# Altium PCB PCB.PcbDoc (part 1 of 2)
Units mil, origin at the board's own origin, x right, y up, seen from the top; angles counter-clockwise.
Board outline 2755.91 x 2755.91 mil, 2 copper layers (Top Layer, Bottom Layer), stack 61.811 mil thick; 228 components, 135 nets, 649 pads, 349 vias.
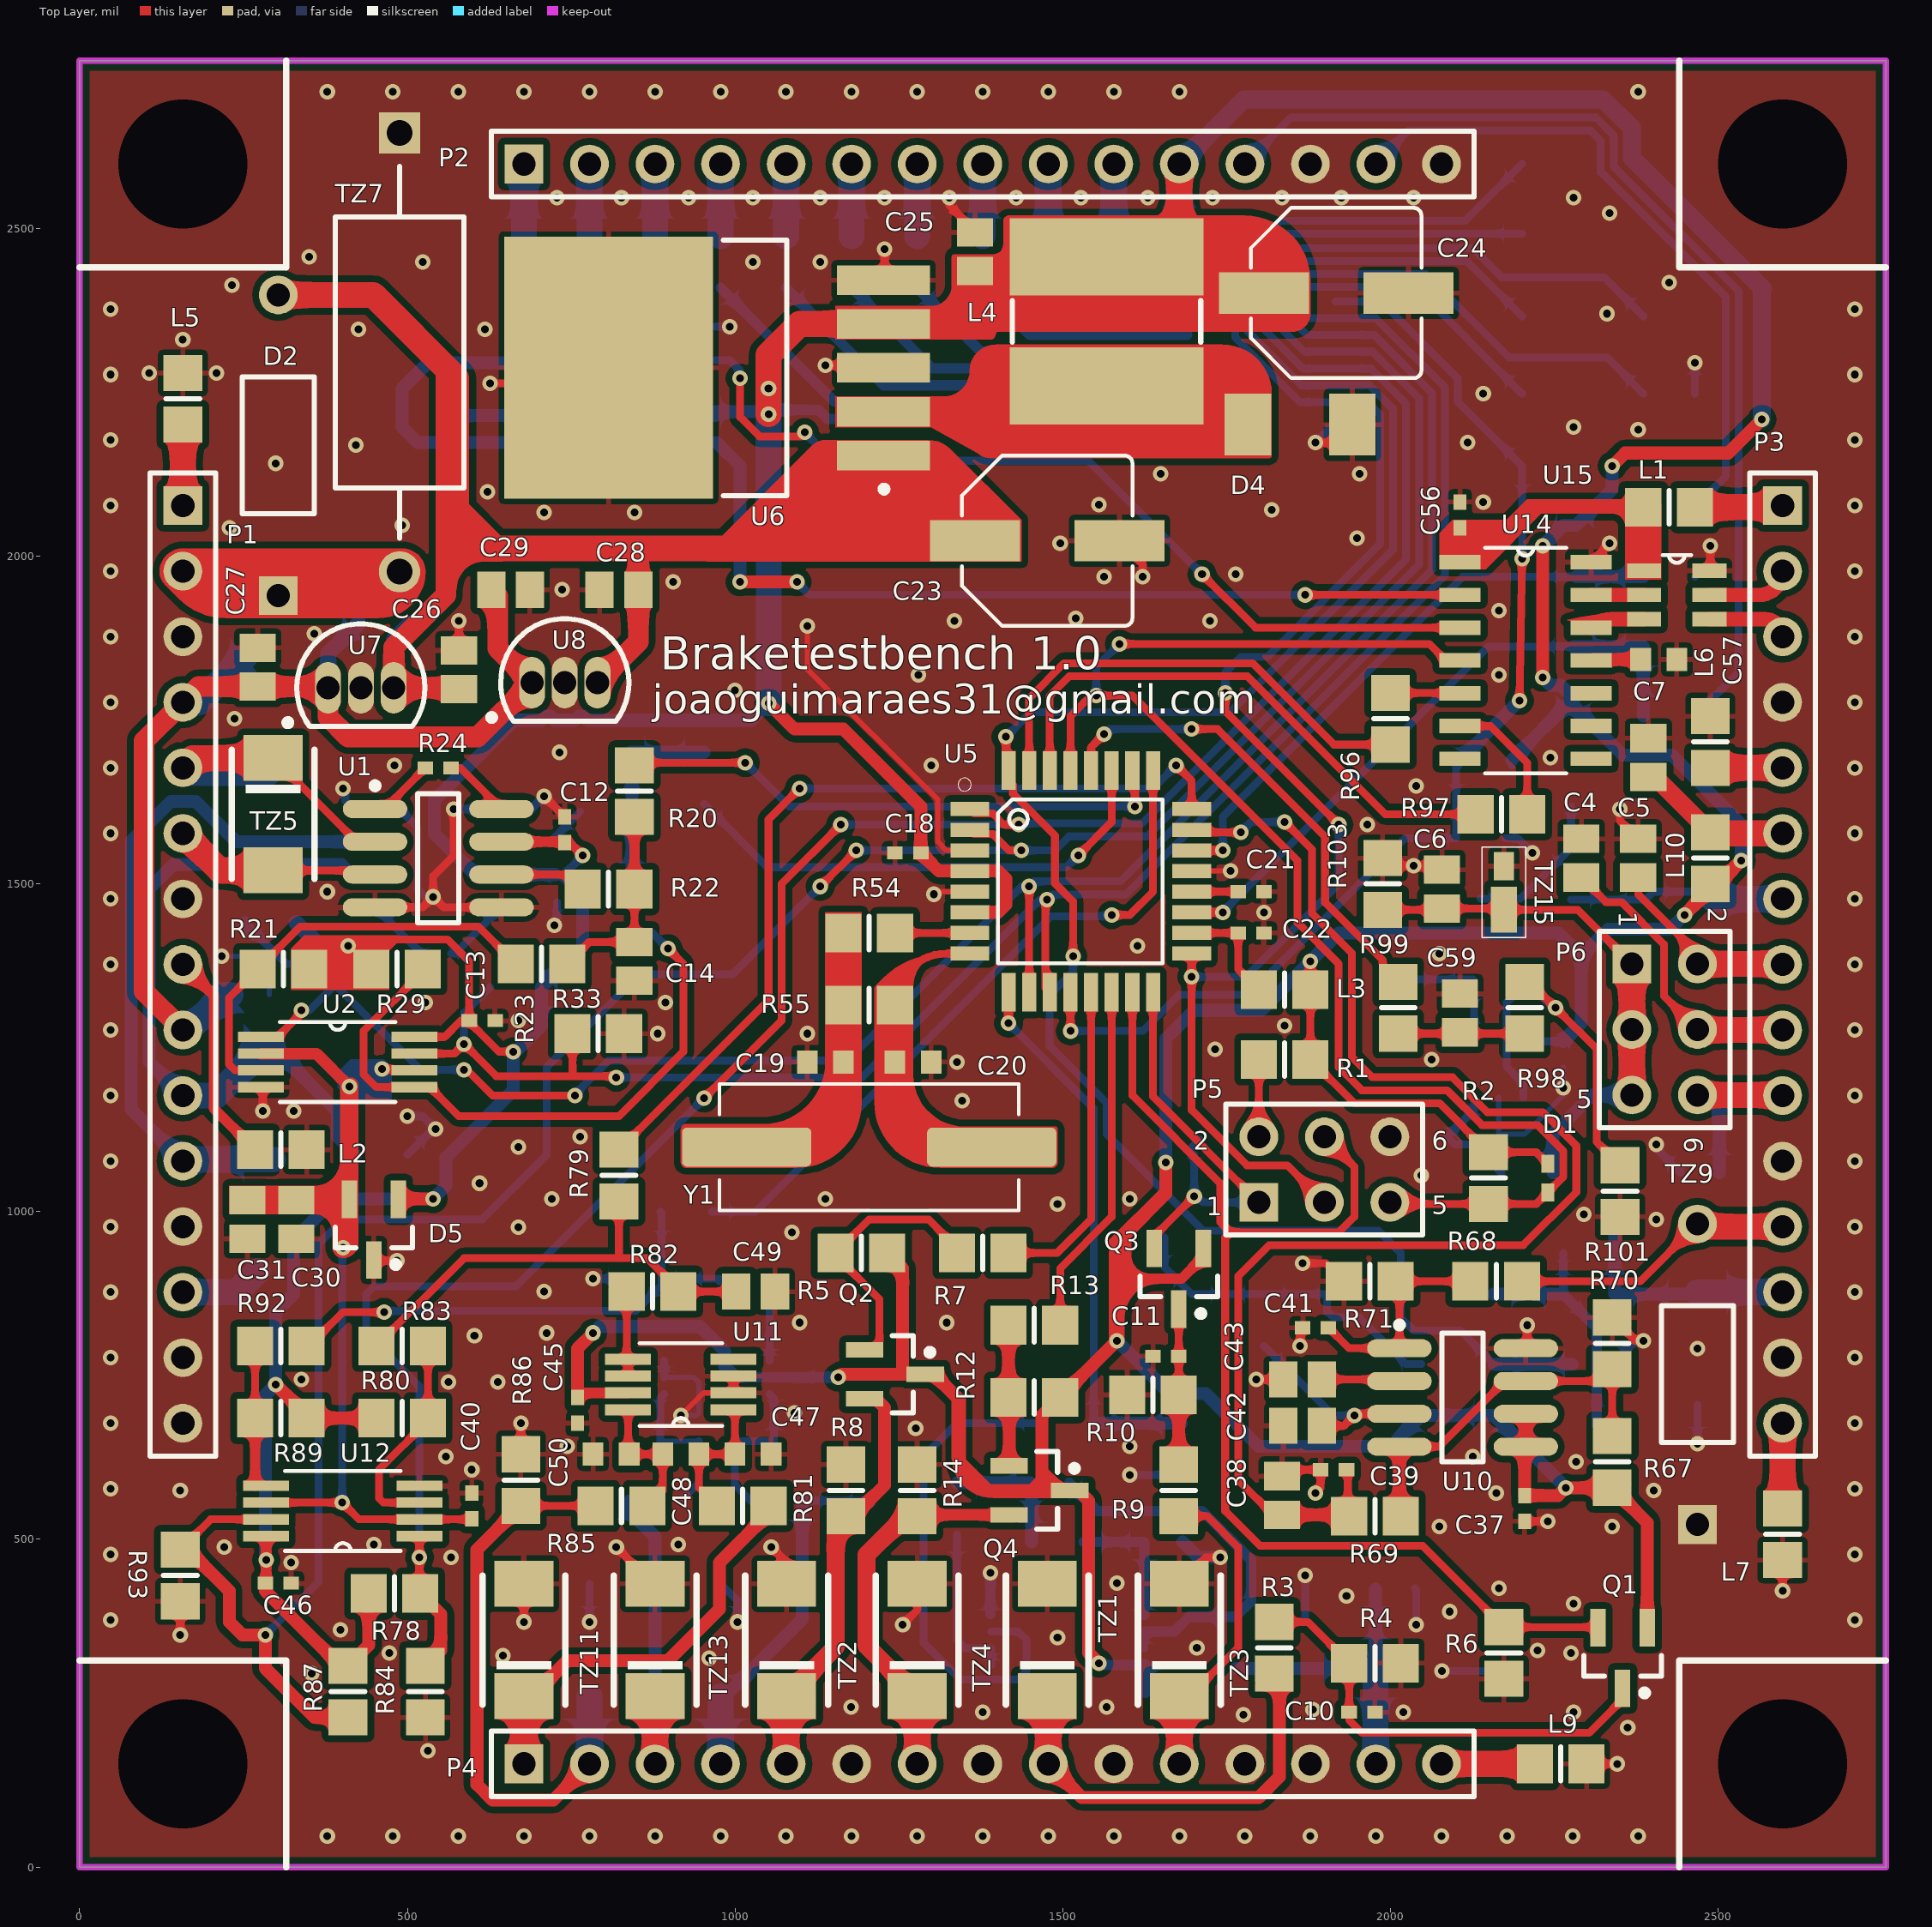
[diagram p0: Top Layer view]
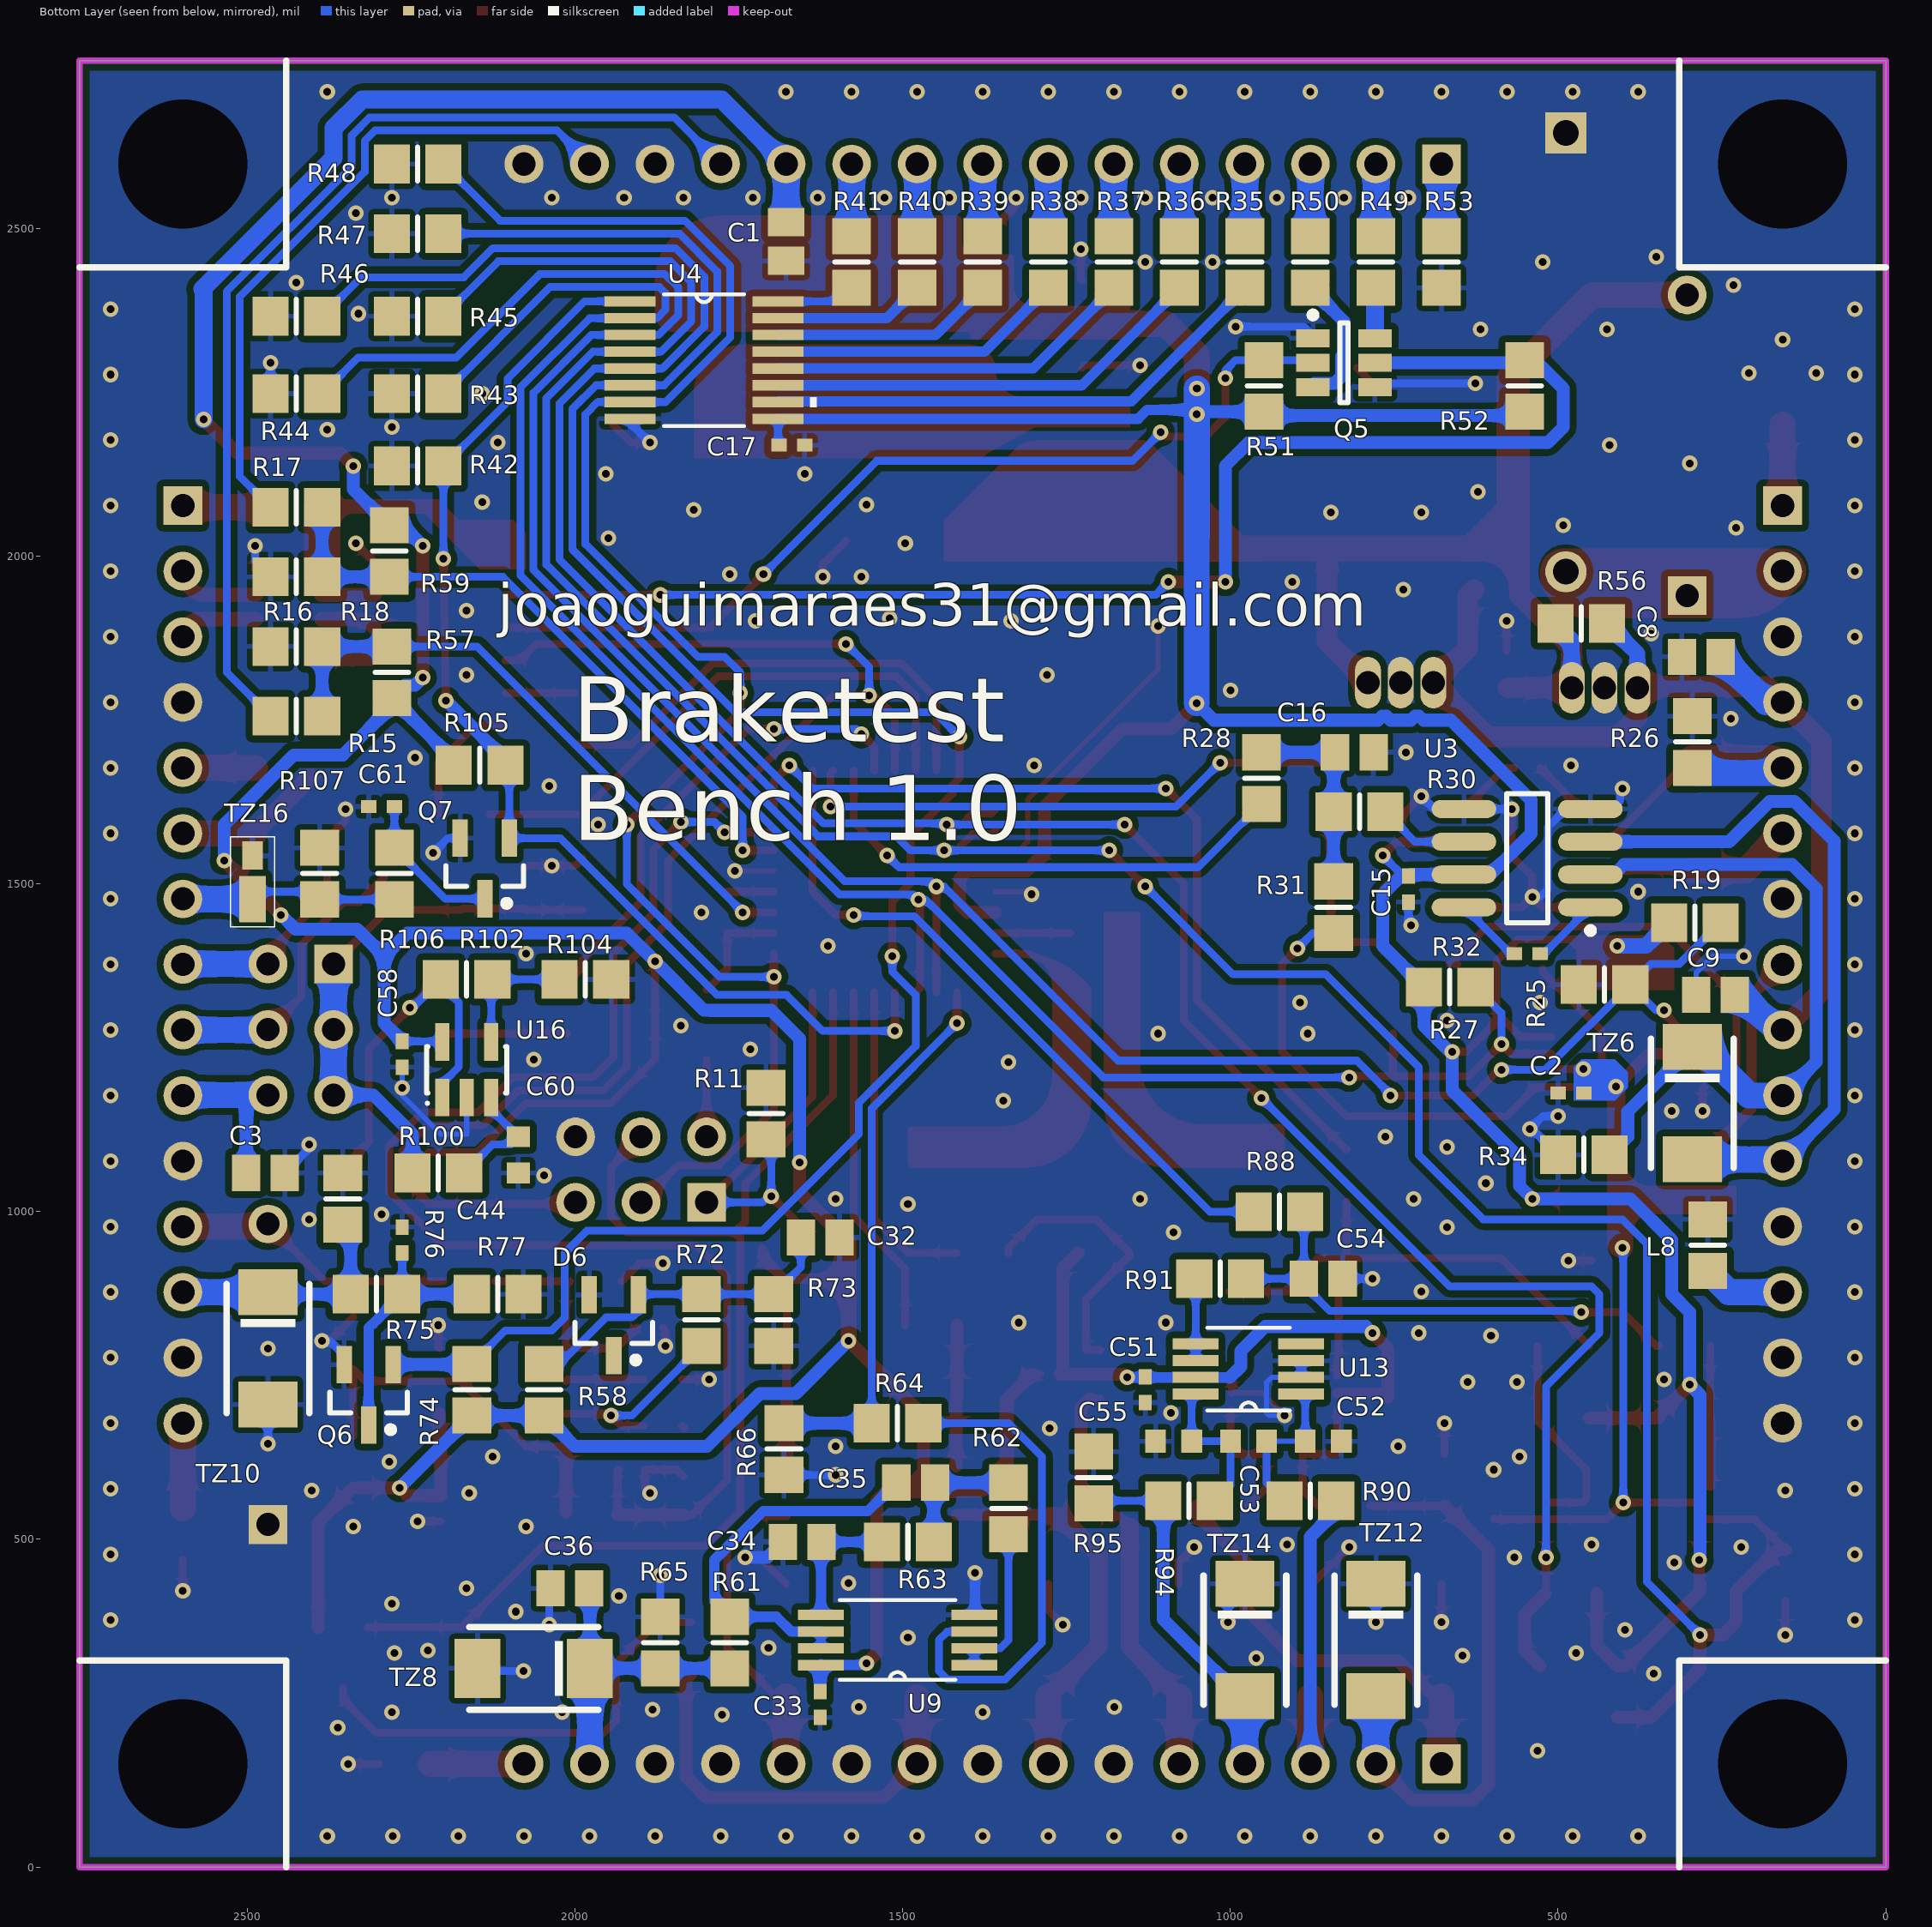
[diagram p1: Bottom Layer view, seen from below]

## Layer stack, top to bottom
Top Solder: solder mask 0.5906, Solder Resist, Dk 3.5
Top Layer: signal copper 1.378
Dielectric 1: dielectric 59.0551, FR-4, Dk 4.8
Bottom Layer: signal copper 1.378
Bottom Solder: solder mask 0.5906, Solder Resist, Dk 3.5

## Board outline
0,0 0,2755.91 2755.91,2755.91 2755.91,0

## Design rules (kind name [scope] priority, off if disabled: settings)
Clearance Polygon [InPoly] p1: gap=10 ignorepadtopadclearanceinfootprint=TRUE
Clearance [All] p2: gap=8 ignorepadtopadclearanceinfootprint=TRUE
DiffPairsRouting [All] p1: maxlimit=8 minlimit=8 mostfreqgap=8 toplayer_minwidth=11 toplayer_maxwidth=11 toplayer_prefwidth=11 bottomlayer_minwidth=11 bottomlayer_maxwidth=11 bottomlayer_prefwidth=11 maxuncoupledlength=500
HoleSize [All] p1: absolutevalues=TRUE maxlimit=300 minlimit=1 maxpercent=80.000 minpercent=20.000
MinimumSolderMaskSliver [All] p1: minsoldermaskwidth=3
PlaneClearance [All] p1: clearance=15
PlaneConnect "Via Power Plane" [IsVia] p1: planeconnectstyle=Direct reliefexpansion=20 reliefentries=4 reliefconductorwidth=10 reliefairgap=10
PlaneConnect "PTH Power Plane" [(IsPad And OnLayer('Multi-Layer'))] p2: planeconnectstyle=Relief reliefexpansion=20 reliefentries=4 reliefconductorwidth=12 reliefairgap=12
PlaneConnect [All] p3: planeconnectstyle=Direct reliefexpansion=25 reliefentries=4 reliefconductorwidth=25 reliefairgap=15
PolygonConnect Via [IsVia] p1: connectstyle=Direct reliefconductorwidth=10 reliefentries=4 polygonreliefangle="90 Angle" airgapwidth=10
PolygonConnect "PTH Polygon" [(IsPad And OnLayer('Multi-Layer'))] p2: connectstyle=Direct reliefconductorwidth=5 reliefentries=4 polygonreliefangle="90 Angle" airgapwidth=8
PolygonConnect [All] p3: connectstyle=Relief reliefconductorwidth=8 reliefentries=4 polygonreliefangle="90 Angle" airgapwidth=8
RoutingVias [All] p1: holewidth=9.84 width=21.65 viastyle="Through Hole" minholewidth=9.84 minwidth=21.65 maxholewidth=39.37 maxwidth=78.74
SilkToSilkClearance [All] p1: silktosilkclearance=4
SilkToSolderMaskClearance [IsPad] p1: minsilkscreentomaskgap=3 clearancetoexposedcopper=TRUE
SolderMaskExpansion [All] p1: expansion=2.7
Width [All] p1: maxlimit=100 minlimit=6 preferedwidth=8 minimp=50.000000 maximp=50.000000 favimp=50.000000
23 further rules are at their usual default settings.

## Classes and differential pairs
component class Designator: R15 R16 R17 R18 R57 R59
component class VibrationACQ: C58 C59 C60 C61 Q7 R98 R99 R100 R101 R102 R103 R104 R105 R106 R107 TZ15 TZ16 U16
component class USB: C56 C57 R96 R97 U14 U15
component class TemperatureACQ: C40 C45 C46 C47 C48 C49 C50 C51 C52 C53 C54 C55 R78 R79 R80 R81 R82 R83 R84 R85 R86 R87 R88 R89 R90 R91 R92 R93 R94 R95 TZ11 TZ12 TZ13 TZ14 U11 U12 U13
component class SpeedACQ: C37 C38 C39 C41 C42 C43 C44 Q6 R67 R68 R69 R70 R71 R72 R73 R74 R75 R76 R77 TZ9 TZ10 U10
component class PwmOut: C33 C34 C35 C36 R61 R62 R63 R64 R65 R66 TZ8 U9
component class PowerSupplies: C23 C24 C25 C26 C27 C28 C29 C30 C31 C32 D2 D4 D5 D6 L4 R56 R58 TZ7 U6 U7 U8
component class MCU: C18 C19 C20 C21 C22 L3 R54 R55 U5 Y1
component class Leds: C17 Q5 R35 R36 R37 R38 R39 R40 R41 R42 R43 R44 R45 R46 R47 R48 R49 R50 R51 R52 R53 U4
component class ForceACQ: C2 C12 C13 C14 C15 C16 R19 R20 R21 R22 R23 R24 R25 R26 R27 R28 R29 R30 R31 R32 R33 R34 TZ5 TZ6 U1 U2 U3
component class DigitalIntefaces: C10 C11 Q1 Q2 Q3 Q4 R3 R4 R5 R6 R7 R8 R9 R10 R11 R12 R13 R14 TZ1 TZ2 TZ3 TZ4
component class Connectors: C1 C3 C4 C5 C6 C7 C8 C9 D1 L1 L2 L5 L6 L7 L8 L9 L10 L? P1 P2 P3 P4 P5 P6 R1 R2

## Components (designator, comment, footprint, x,y, rotation, side; value= is the part's Value field where it differs from the comment)
C1 "100nF" C0805 1677.95,2480.32 r90 bottom
C2 "100nF" 0402 480.32,1181.1 r180 bottom
C3 "100nF" C0805 2472.44,1059.06 r0 bottom
C4 "100nF" C0805 2291.34,1539.37 r270 top
C5 "100nF" C0805 2377.95,1539.37 r270 top
C6 "100nF" C0805 2078.74,1492.13 r270 top
C7 "100nF" C0805 2393.7,1692.91 r270 top
C8 "100nF" C0805 281.5,1846.46 r180 bottom
C9 "100nF" C0805 259.84,1330.71 r180 bottom
C10 "100nF" 0402 1956.69,236.22 r180 top
C11 "100nF" 0402 1657.48,779.53 r0 top
C12 "100nF" 0402 740.16,1582.68 r90 top
C13 "100nF" 0402 614.17,1291.34 r180 top
C14 "1uF" C0805 846.46,1381.89 r90 top
C15 "100nF" 0402 728.35,1492.13 r270 bottom
C16 "1uF" C0805 811.02,1700.79 r0 bottom
C17 "100nF" 0402 1669.29,2169.29 r0 bottom
C18 "100nF" 0402 1263.78,1547.24 r0 top
C19 "22pF" 1608[0603] 1137.8,1228.35 r180 top
C20 "22pF" 1608[0603] 1271.65,1228.35 r0 top
C21 "100nF" 0402 1787.4,1488.19 r180 top
C22 "100nF" 0402 1787.4,1425.2 r180 top
C23 "100uF 35V" WCAP-ASLI_6.3x7.7 1476.38,2023.62 r180 top
C24 "100uF 16V" WCAP-ASLI_6.3x5.5 1917.32,2401.57 r180 top
C25 "100nF" C0805 1366.14,2464.57 r90 top
C26 "0.33uF" C0805 578.74,1826.77 r90 top
C27 "100nF" C0805 271.65,1830.71 r90 top
C28 "0.33uF" C0805 822.83,1948.82 r180 top
C29 "100nF" C0805 657.48,1948.82 r0 top
C30 "1uF" C0805 330.71,988.19 r270 top
C31 "100nF" C0805 255.91,988.19 r270 top
C32 "100nF" C0805 1625.98,960.63 r180 bottom
C33 "100nF" 0402 1625.98,248.03 r90 bottom
C34 "2700pF" C0805 1653.54,496.06 r0 bottom
C35 "3900pF" C0805 1480.32,586.61 r0 bottom
C36 "100nF" C0805 2007.87,425.2 r0 bottom
C37 "100nF" 0402 2204.72,547.24 r90 top
C38 "1uF" C0805 1834.65,566.93 r270 top
C39 "100nF" 0402 1913.39,606.3 r0 top
C40 "100nF" 0402 598.42,551.18 r270 top
C41 "220nF" 0402 1885.83,822.83 r0 top
C42 "68uF" C0805 1866.14,673.23 r0 top
C43 "1uF" C0805 1866.14,744.09 r0 top
C44 "100nF" 0402 2263.78,956.69 r270 bottom
C45 "100nF" 0402 759.84,696.85 r90 top
C46 "100nF" 0402 303.15,433.07 r180 top
C47 "1nF" 1608[0603] 1027.56,629.92 r0 top
C48 "10nF" 1608[0603] 917.32,629.92 r0 top
C49 "1uF" C0805 1031.5,877.95 r180 top
C50 "1nF" 1608[0603] 811.02,629.92 r0 top
C51 "100nF" 0402 1129.92,728.35 r90 bottom
C52 "1nF" 1608[0603] 858.27,649.61 r180 bottom
C53 "10nF" 1608[0603] 972.44,649.61 r180 bottom
C54 "1uF" C0805 858.27,897.64 r0 bottom
C55 "1nF" 1608[0603] 1086.61,649.61 r180 bottom
C56 "100nF" 0402 2106.3,2062.99 r270 top
C57 "470nF" 1608[0603] 2409.45,1842.52 r180 top
C58 "100nF" 0402 2263.78,1240.16 r270 bottom
C59 "1uF" C0805 2106.3,1303.15 r270 top
C60 "10nF" 1608[0603] 2086.61,1086.61 r90 bottom
C61 "100nF" 0402 2295.28,1618.11 r180 bottom
D1 "RB521S30T1G" SOD-523 2240.16,1051.18 r90 top
D2 "1N5822" PIN-W2/E2.8 303.15,2169.29 r90 top
D4 "FM5819-W" DO-214AC 1862.2,2200.79 r0 top
D5 "MAX6107EUR+T" SOT23_M 448.82,972.44 r270 top
D6 "ADR510ARTZ" SOT23_M 1940.94,826.77 r270 bottom
L1 "BLM21" 6-0805_M 2425.2,2074.8 r0 top
L2 "BLM21" 6-0805_M 307.09,1094.49 r180 top
L3 "10uH" 6-0805_M 1838.58,1338.58 r0 top
L4 "330uH" SDE0805A 1566.93,2358.27 r90 top
L5 "BLM21" 6-0805_M 157.48,2240.16 r270 top
L6 "BLM21" 6-0805_M 2488.19,1716.54 r270 top
L7 "BLM21" 6-0805_M 2598.43,507.87 r90 top
L8 "BLM21" 6-0805_M 271.65,948.82 r270 bottom
L9 "BLM21" 6-0805_M 2259.84,157.48 r180 top
L10 "BLM21" 6-0805_M 2488.19,1539.37 r90 top (schematic designator L?)
P1 "Header 15" HDR1X15 157.48,2077.17 r270 top
P2 "Header 15" HDR1X15 677.95,2598.43 r0 top
P3 "Header 15" HDR1X15 2598.43,2077.17 r270 top
P4 "Header 15" HDR1X15 677.95,157.48 r0 top
P5 "Header 3X2" HDR2X3 1799.21,1014.17 r0 top
P6 "Header 3X2" HDR2X3 2368.5,1377.95 r270 top
Q1 "NX7002AKVL" SOT23_M 2354.33,318.9 r270 top
Q2 "NDS332P" SOT23_M 1244.09,751.97 r0 top
Q3 "NX7002AKVL" SOT23_M 1677.17,897.64 r270 top
Q4 "NDS332P" SOT23_M 1464.57,574.8 r0 top
Q5 "NTZD3152PT1H" SOT23-6_M 826.77,2295.28 r180 bottom
Q6 "NX7002AKVL" SOT23_M 2314.96,720.47 r270 bottom
Q7 "NX7002AKVL" SOT23_M 2137.8,1523.62 r270 bottom
R1 "0R" 6-0805_M 1838.58,1232.28 r0 top
R2 "10k" 6-0805_M 2149.61,1051.18 r90 top
R3 "150k" 6-0805_M 1822.83,334.65 r90 top
R4 "100k" 6-0805_M 1976.38,311.02 r180 top
R5 "10k" 6-0805_M 1192.91,937.01 r0 top
R6 "10k" 6-0805_M 2173.23,326.77 r90 top
R7 "1k" 6-0805_M 1377.95,937.01 r180 top
R8 "100k" 6-0805_M 1169.29,574.8 r270 top
R9 "150k" 6-0805_M 1677.17,574.8 r90 top
R10 "100k" 6-0805_M 1637.8,720.47 r0 top
R11 "10k" 6-0805_M 1708.66,1149.61 r270 bottom
R12 "10k" 6-0805_M 1456.69,716.54 r0 top
R13 "1k" 6-0805_M 1456.69,826.77 r180 top
R14 "100k" 6-0805_M 1277.95,574.8 r270 top
R15 "10k" 6-0805_M 2425.2,1755.91 r180 bottom
R16 "100k" 6-0805_M 2425.2,1862.2 r180 bottom
R17 "10k" 6-0805_M 2425.2,2074.8 r0 bottom
R18 "100k" 6-0805_M 2425.2,1968.5 r180 bottom
R19 "10k" 6-0805_M 291.34,1440.94 r180 bottom
R20 "0R" 6-0805_M 846.46,1641.73 r90 top
R21 "1M" 6-0805_M 311.02,1370.08 r180 top
R22 "10k" 6-0805_M 807.09,1492.13 r0 top
R23 "0R" 6-0805_M 704.72,1377.95 r0 top
R24 "845R" 0402 547.24,1677.17 r180 top
R25 "10k" 6-0805_M 429.13,1346.46 r0 bottom
R26 "1M" 6-0805_M 295.28,1716.54 r90 bottom
R27 "10k" 6-0805_M 665.35,1342.52 r180 bottom
R28 "0R" 6-0805_M 952.76,1661.42 r270 bottom
R29 "1M" 6-0805_M 484.25,1370.08 r0 top
R30 "10k" 6-0805_M 803.15,1610.24 r0 bottom
R31 "0R" 6-0805_M 842.52,1464.57 r90 bottom
R32 "845R" 0402 547.24,1393.7 r180 bottom
R33 "10k" 6-0805_M 791.34,1271.65 r0 top
R34 "1M" 6-0805_M 460.63,1086.61 r0 bottom
R35 "1k" 6-0805_M 977.95,2448.82 r90 bottom
R36 "1k" 6-0805_M 1077.95,2448.82 r90 bottom
R37 "1k" 6-0805_M 1177.95,2448.82 r90 bottom
R38 "1k" 6-0805_M 1277.95,2448.82 r90 bottom
R39 "1k" 6-0805_M 1377.95,2448.82 r90 bottom
R40 "1k" 6-0805_M 1477.95,2448.82 r90 bottom
R41 "1k" 6-0805_M 1577.95,2448.82 r90 bottom
R42 "10k" 6-0805_M 2240.16,2137.8 r180 bottom
R43 "10k" 6-0805_M 2240.16,2248.03 r180 bottom
R44 "10k" 6-0805_M 2425.2,2248.03 r180 bottom
R45 "10k" 6-0805_M 2240.16,2366.14 r180 bottom
R46 "10k" 6-0805_M 2425.2,2366.14 r180 bottom
R47 "10k" 6-0805_M 2240.16,2492.13 r180 bottom
R48 "10k" 6-0805_M 2240.16,2598.43 r180 bottom
R49 "1k" 6-0805_M 777.95,2448.82 r90 bottom